# Altium PCB PowerAMP_revision.PcbDoc (part 1 of 4)
Units mm, origin at the board's own origin, x right, y up, seen from the top; angles counter-clockwise.
Board outline 211.5 x 142.58 mm, 2 copper layers (Top Layer, Bottom Layer), stack 1.635 mm thick; 322 components, 226 nets, 1061 pads, 745 vias.
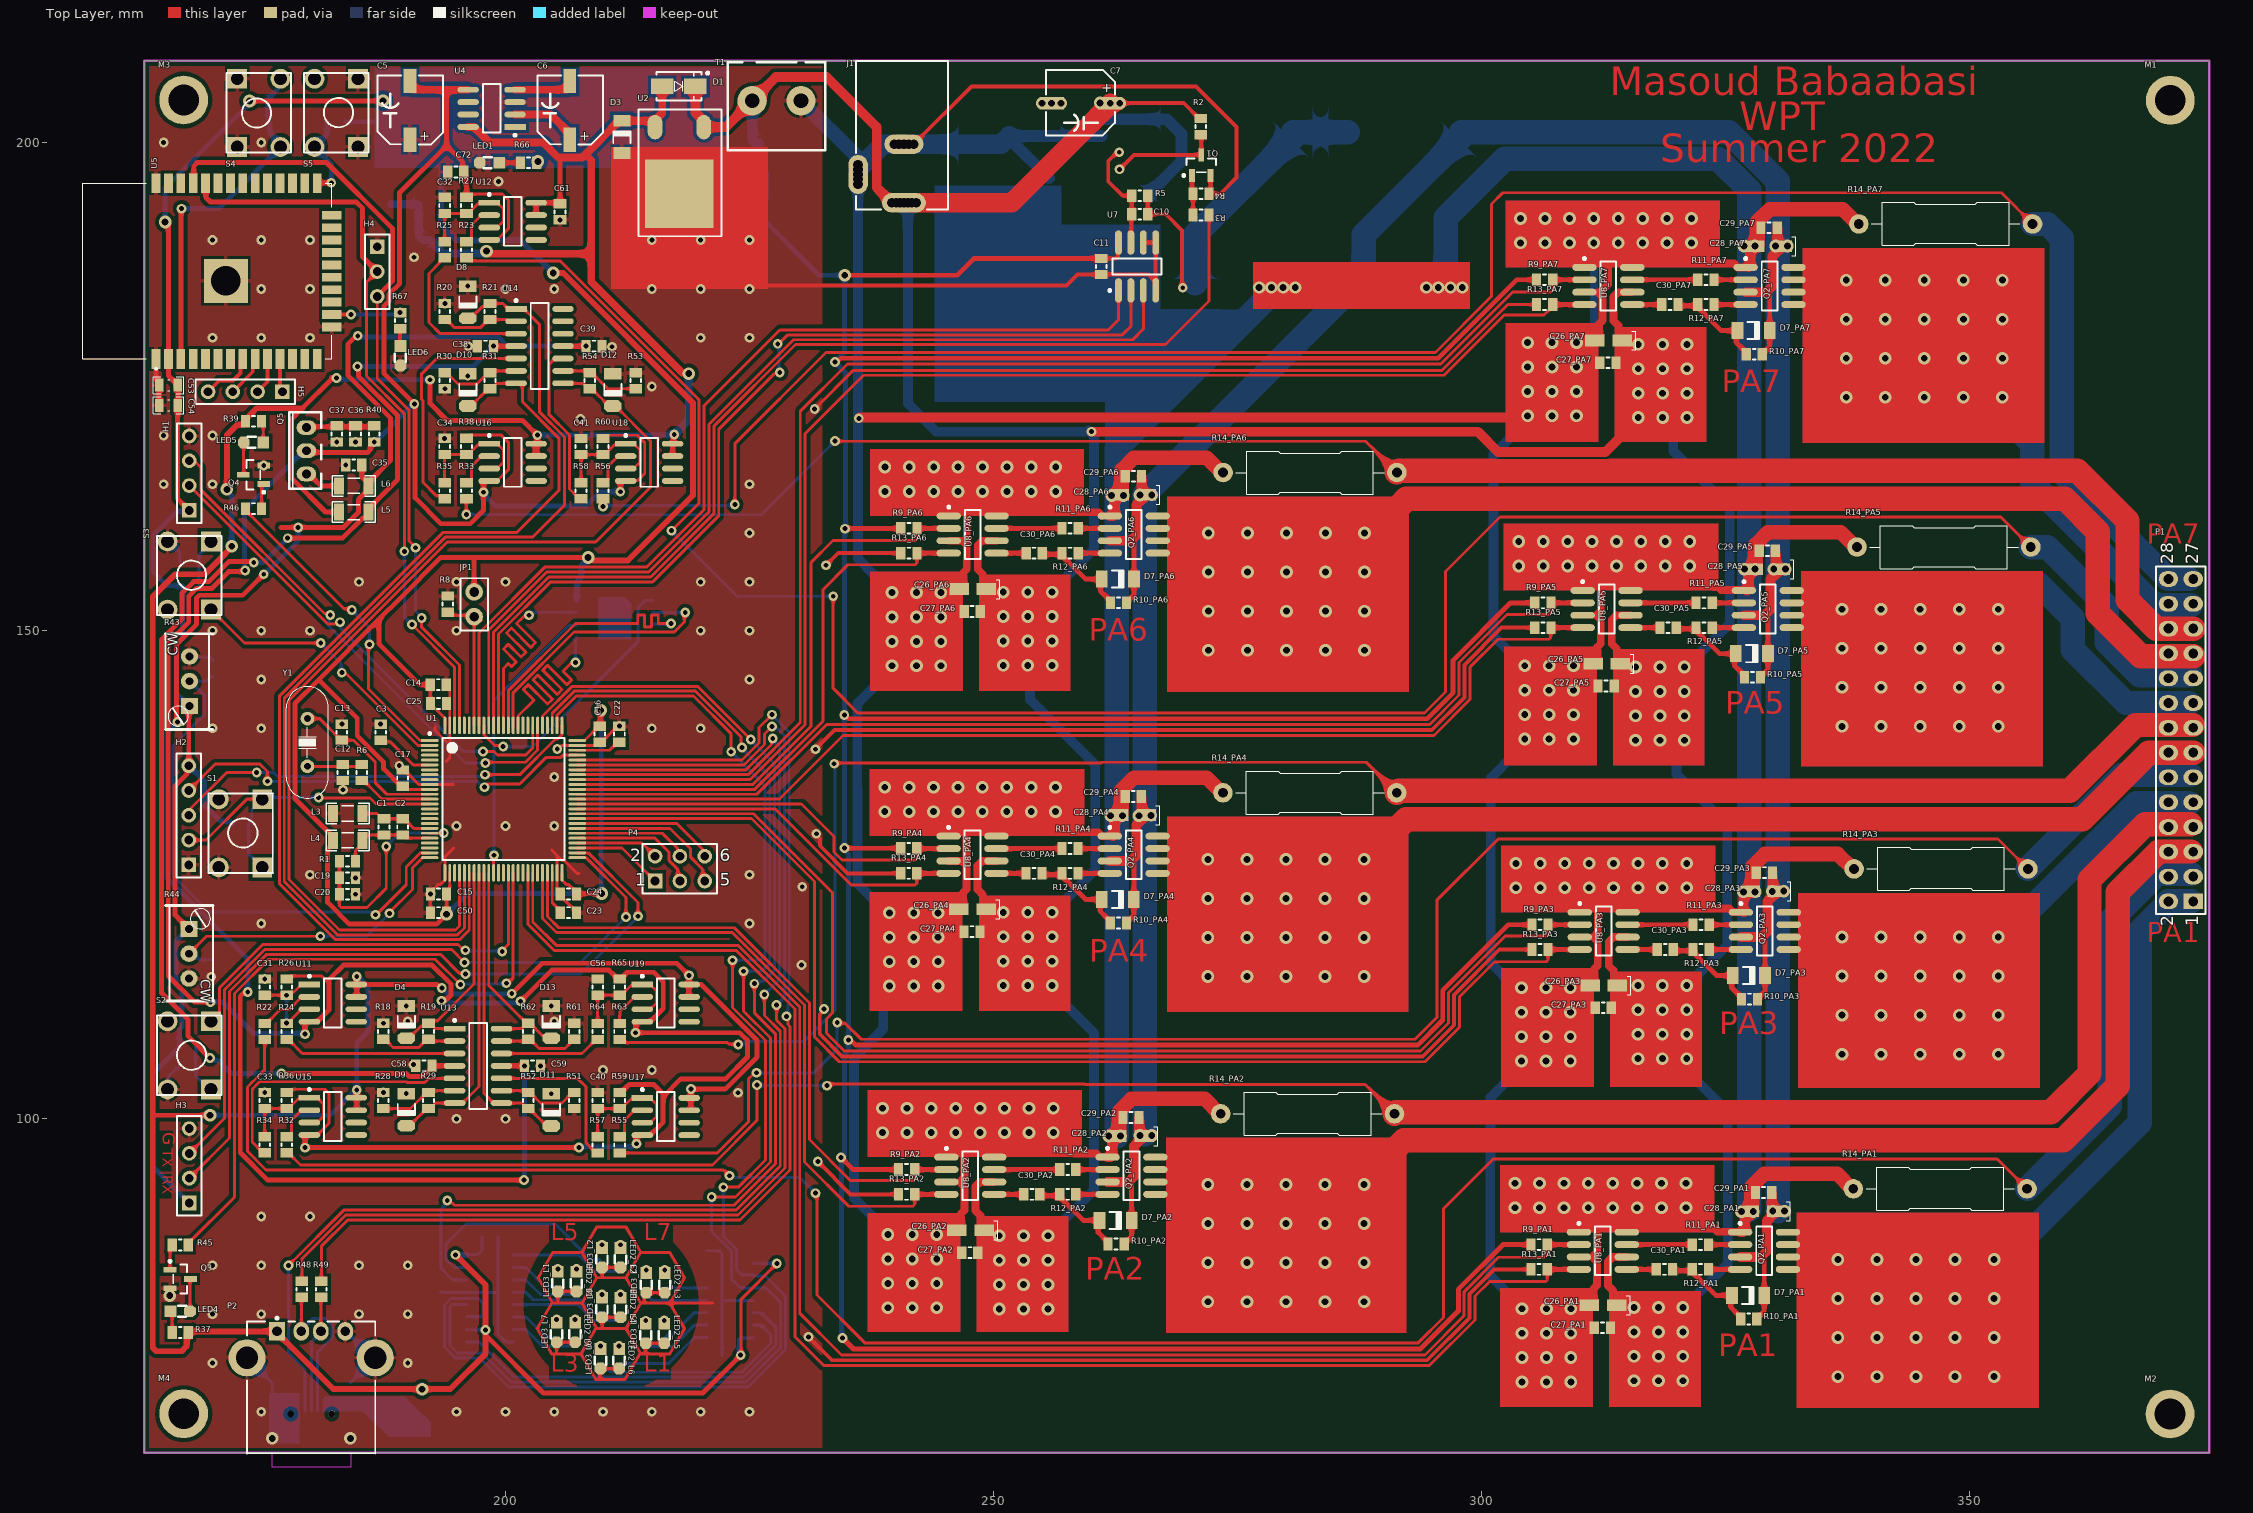
[diagram p0: Top Layer view]
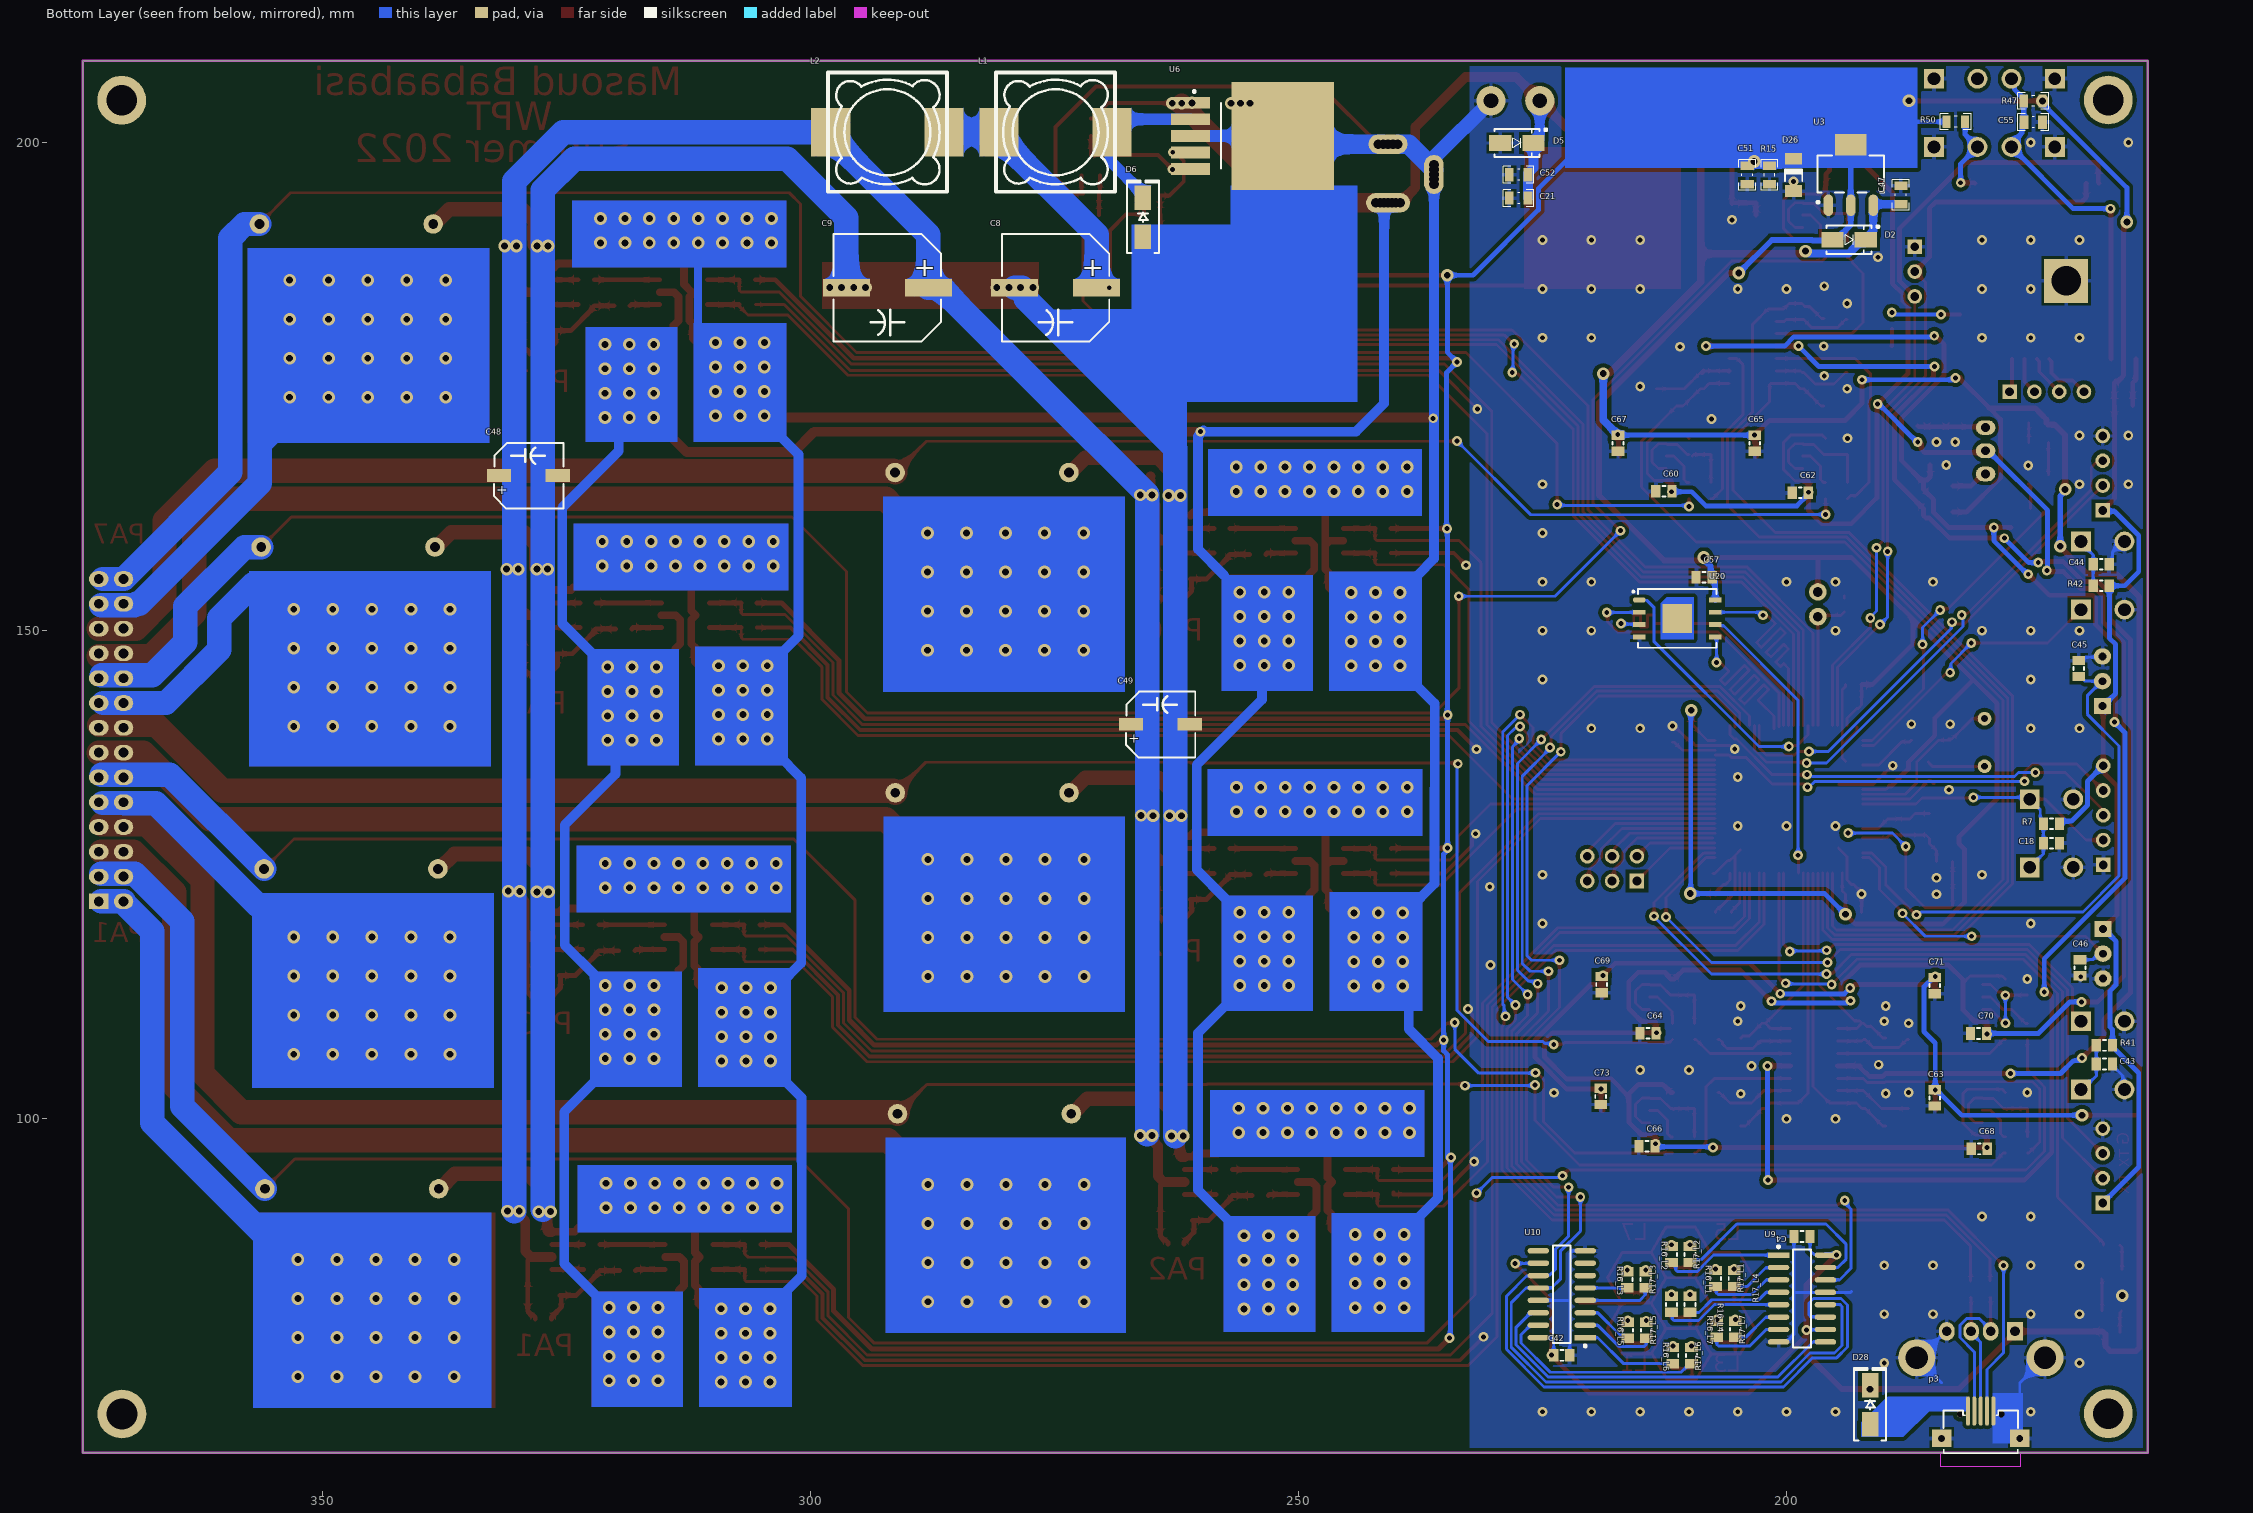
[diagram p1: Bottom Layer view, seen from below]
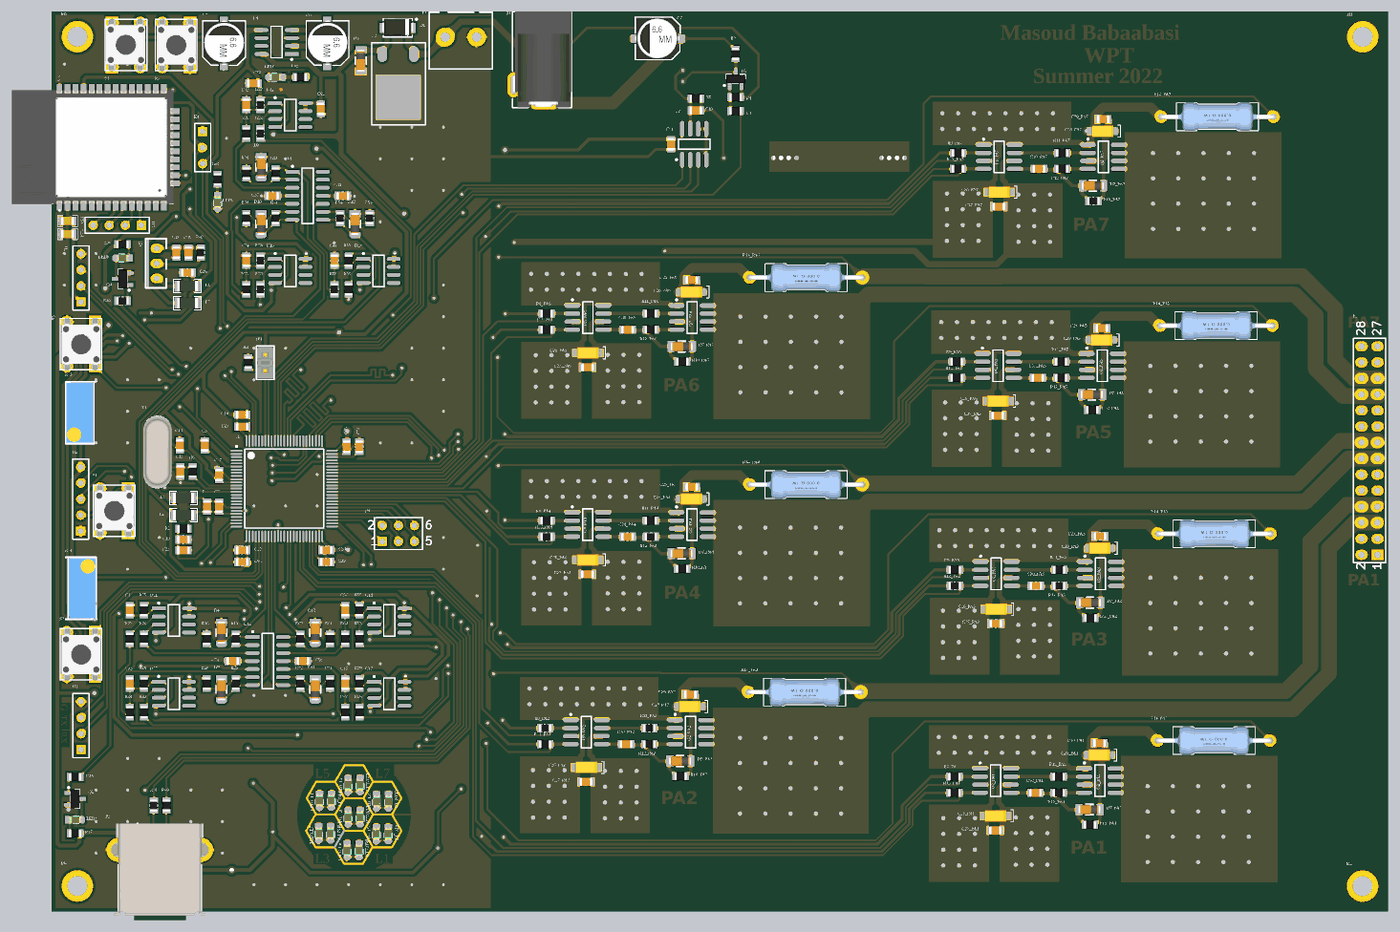
[diagram p5: 3D render of the assembled board from above, using the file's embedded part models]
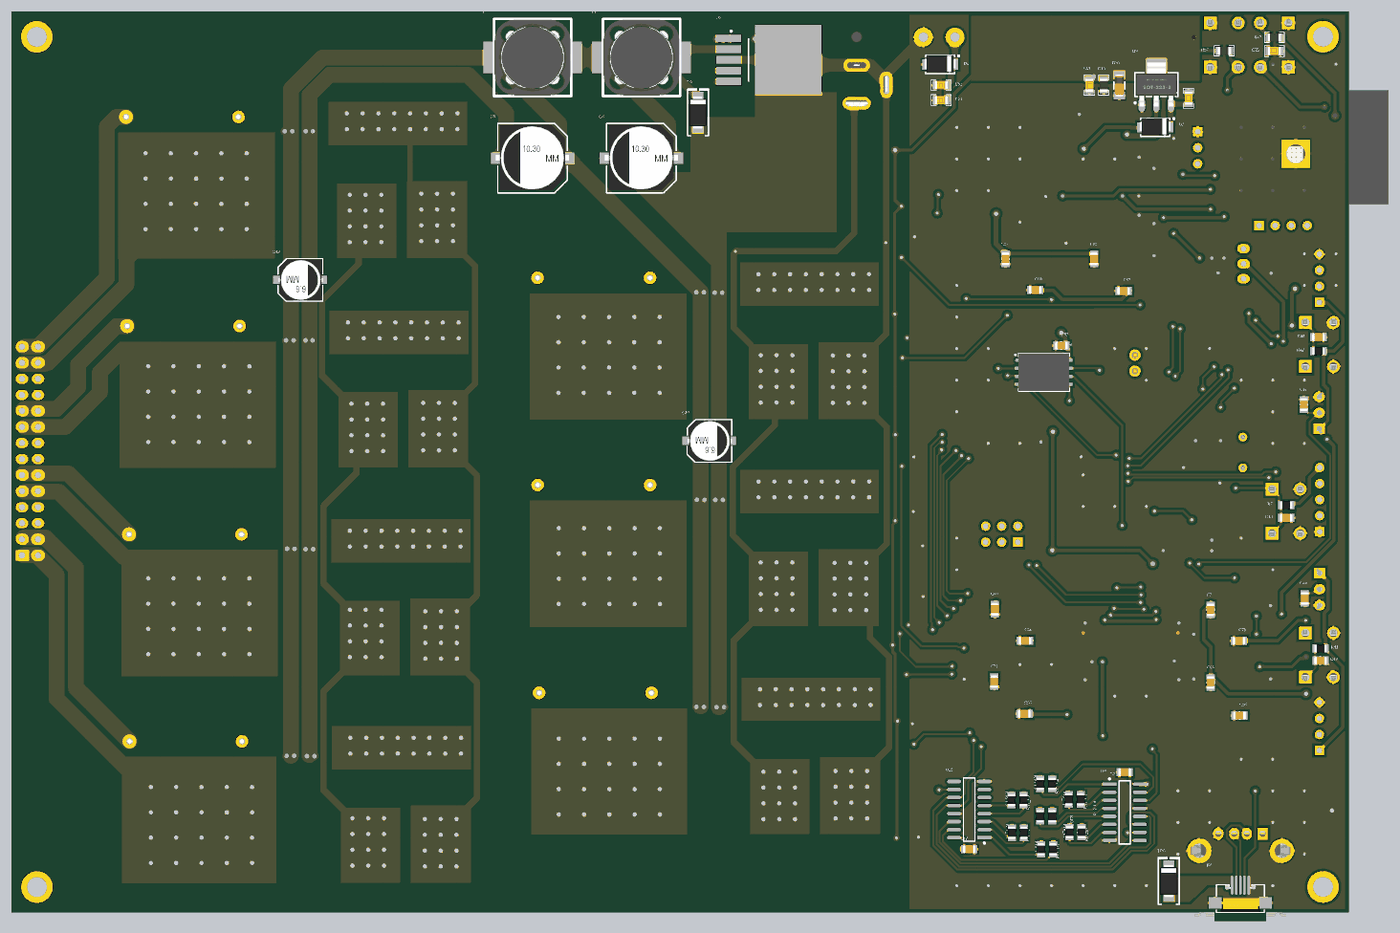
[diagram p6: 3D render of the assembled board from below, using the file's embedded part models]

## Layer stack, top to bottom
Top Solder: solder mask 0.0102, Solder Resist, Dk 3.5
Top Layer: signal copper 0.0175
Dielectric 1: dielectric 1.6, FR-4, Dk 4.8
Bottom Layer: signal copper 0.0175
Bottom Solder: solder mask 0.0102, Solder Resist, Dk 3.5

## Board outline
163,65.786 163,208.361 374.5,208.361 374.5,65.786

## Design rules (kind name [scope] priority, off if disabled: settings)
Clearance [All] p1: gap=0.2 ignorepadtopadclearanceinfootprint=TRUE except(0: SMDPad-Hole THPad-Hole Via-Hole Fill-Hole Poly-Hole Region-Hole Text-Hole; 0.35: SMDPad-Fill SMDPad-Poly SMDPad-Region; 0.4: Arc-Fill Arc-Poly Arc-Region Track-Fill Track-Poly Track-Region THPad-Fill THPad-Poly THPad-Region Via-Fill Via-Poly Via-Region Fill-Fill Fill-Poly Fill-Region Poly-Poly Poly-Region Region-Region)
PolygonConnect [All] p1: thpad.connectstyle=Relief thpad.reliefconductorwidth=0.4 thpad.reliefentries=4 thpad.polygonreliefangle="90 Angle" thpad.airgapwidth=0.25 smdpad.connectstyle=Relief smdpad.reliefconductorwidth=0.4 smdpad.reliefentries=4 smdpad.polygonreliefangle="90 Angle" smdpad.airgapwidth=0.25 via.connectstyle=Direct via.reliefconductorwidth=0.4 via.reliefentries=4 via.polygonreliefangle="45 Angle" via.airgapwidth=0.3
RoomDefinition PA6 [InComponentClass('PA6')] p1: confinementstyle=ConfineIn formatcopy=TRUE lockcomponents=FALSE outline 237.332,143.717 293.085,143.717 293.085,168.609 237.332,168.609
RoomDefinition L1 [InComponentClass('L1')] p2 off: confinementstyle=ConfineIn formatcopy=TRUE lockcomponents=FALSE outline 37.975,21.025 42.075,21.025 42.075,24.625 37.975,24.625
RoomDefinition L2 [InComponentClass('L2')] p3 off: confinementstyle=ConfineIn formatcopy=TRUE lockcomponents=FALSE outline 33.45,18.575 37.55,18.575 37.55,22.175 33.45,22.175
RoomDefinition L3 [InComponentClass('L3')] p4 off: confinementstyle=ConfineIn formatcopy=TRUE lockcomponents=FALSE outline 28.925,21.15 33.025,21.15 33.025,24.75 28.925,24.75
RoomDefinition L4 [InComponentClass('L4')] p5 off: confinementstyle=ConfineIn formatcopy=TRUE lockcomponents=FALSE outline 33.45,23.675 37.55,23.675 37.55,27.275 33.45,27.275
RoomDefinition L5 [InComponentClass('L5')] p6 off: confinementstyle=ConfineIn formatcopy=TRUE lockcomponents=FALSE outline 28.975,26.325 33.075,26.325 33.075,29.925 28.975,29.925
RoomDefinition L6 [InComponentClass('L6')] p7 off: confinementstyle=ConfineIn formatcopy=TRUE lockcomponents=FALSE outline 33.6,28.925 37.7,28.925 37.7,32.525 33.6,32.525
RoomDefinition L7 [InComponentClass('L7')] p8 off: confinementstyle=ConfineIn formatcopy=TRUE lockcomponents=FALSE outline 38.1,26.225 42.2,26.225 42.2,29.825 38.1,29.825
RoomDefinition PA2 [InComponentClass('PA2')] p9: confinementstyle=ConfineIn formatcopy=TRUE lockcomponents=FALSE outline 237.09,78.043 292.843,78.043 292.843,102.935 237.09,102.935
RoomDefinition U_power [InComponentClass('U_power')] p10 off: confinementstyle=ConfineIn formatcopy=TRUE lockcomponents=FALSE outline 17.636,39.5 103.6,39.5 103.6,65.089 17.636,65.089
RoomDefinition U_PA_group [InComponentClass('U_PA_group')] p11 off: confinementstyle=ConfineIn formatcopy=TRUE lockcomponents=FALSE outline 18.622,153.3 101.875,153.3 101.875,182.825 18.622,182.825
RoomDefinition U_micro [InComponentClass('U_micro')] p12 off: confinementstyle=ConfineIn formatcopy=TRUE lockcomponents=FALSE outline 17.145,127.711 101.45,127.711 101.45,149.047 17.145,149.047
RoomDefinition U_accesory [InComponentClass('U_accesory')] p13 off: confinementstyle=ConfineIn formatcopy=TRUE lockcomponents=FALSE outline 16.129,94.564 100.35,94.564 100.35,126.695 16.129,126.695
RoomDefinition Rect [InComponentClass('Rect')] p14 off: confinementstyle=ConfineIn formatcopy=TRUE lockcomponents=FALSE outline 16.893,68.825 102.75,68.825 102.75,92.925 16.893,92.925
RoomDefinition PA7 [InComponentClass('PA7')] p15: confinementstyle=ConfineIn formatcopy=TRUE lockcomponents=FALSE outline 302.443,169.176 358.196,169.176 358.196,194.068 302.443,194.068
RoomDefinition PA5 [InComponentClass('PA5')] p16: confinementstyle=ConfineIn formatcopy=TRUE lockcomponents=FALSE outline 302.262,136.085 358.015,136.085 358.015,160.977 302.262,160.977
RoomDefinition PA4 [InComponentClass('PA4')] p17: confinementstyle=ConfineIn formatcopy=TRUE lockcomponents=FALSE outline 237.318,110.92 293.071,110.92 293.071,135.812 237.318,135.812
RoomDefinition PA3 [InComponentClass('PA3')] p18: confinementstyle=ConfineIn formatcopy=TRUE lockcomponents=FALSE outline 301.961,103.121 357.714,103.121 357.714,128.013 301.961,128.013
RoomDefinition PA1 [InComponentClass('PA1')] p19: confinementstyle=ConfineIn formatcopy=TRUE lockcomponents=FALSE outline 301.88,70.358 357.633,70.358 357.633,95.25 301.88,95.25
RoutingVias [All] p1: holewidth=0.7 width=1.2 viastyle="Through Hole" minholewidth=0.5 minwidth=1 maxholewidth=1 maxwidth=1.5
SolderMaskExpansion [All] p1: expansion=0.102 istentingtop=FALSE
Width [InNetClass('Power')] p1: maxlimit=2.5 minlimit=0.254 preferedwidth=0.5 minimp=50.000000 maximp=50.000000 favimp=50.000000
30 further rules are at their usual default settings.

## Classes and differential pairs
net class QUAD_BK1_IO[0..3]: QUAD_BK1_IO0 QUAD_BK1_IO1 QUAD_BK1_IO2 QUAD_BK1_IO3
net class FLASH_SPI: QUAD_BK1_IO0 QUAD_BK1_IO1 QUAD_BK1_IO2 QUAD_BK1_IO3 QUAD_CLK
net class Pot[1..2]: Pot1 Pot2
net class ESP_IO[0..33]: ESP_IO0 ESP_IO1 ESP_IO2 ESP_IO3 ESP_IO4 ESP_IO5 ESP_IO6 ESP_IO7 ESP_IO8 ESP_IO9 ESP_IO10 ESP_IO11 ESP_IO12 ESP_IO13 ESP_IO14 ESP_IO15 ESP_IO16 ESP_IO17 ESP_IO18 ESP_IO19 ESP_IO20 ESP_IO21 ESP_IO22 ESP_IO23 ESP_IO24 ESP_IO25 ESP_IO26 ESP_IO27 ESP_IO28 ESP_IO29 ESP_IO30 ESP_IO31 ESP_IO32 ESP_IO33
net class clk_n[1..7]: clk_n1 clk_n2 clk_n3 clk_n4 clk_n5 clk_n6 clk_n7
channel class led_PA: L1 L2 L3 L4 L5 L6 L7
component class L7: LED2_L7 LED3_L7 R16_L7 R17_L7
component class L6: LED2_L6 LED3_L6 R16_L6 R17_L6
component class L5: LED2_L5 LED3_L5 R16_L5 R17_L5
component class L4: LED2_L4 LED3_L4 R16_L4 R17_L4
component class L3: LED2_L3 LED3_L3 R16_L3 R17_L3
component class L2: LED2_L2 LED3_L2 R16_L2 R17_L2
component class L1: LED2_L1 LED3_L1 R16_L1 R17_L1
component class U_accesory: C43 C44 C45 C46 C53 C54 C55 C57 D28 H1 H3 H4 H5 LED4 LED5 LED6 P2 p3 Q3 Q4 R37 R39 R41 R42 R43 R44 R45 R46 R47 R48 R49 R50 R67 S2 S3 S4 S5 U5 U20
net class PB[1..2]: PB1 PB2
net class LED[1..2]: LED1 LED2
net class ADC[1..7]: ADC1 ADC2 ADC3 ADC4 ADC5 ADC6 ADC7
component class U_power: C5 C6 C7 C8 C9 C10 C11 C21 C47 C51 C52 D1 D2 D3 D5 D6 D26 J1 L1 L2 LED1 M1 M2 M3 M4 Q1 R2 R3 R4 R5 R15 R66 T1 U2 U3 U4 U6 U7
component class U_micro: C1 C2 C3 C12 C13 C14 C15 C16 C17 C18 C19 C20 C22 C23 C24 C25 C50 H2 JP1 L3 L4 P4 R1 R6 R7 R8 S1 U1 Y1
net class clk_p[1..7]: clk_p1 clk_p2 clk_p3 clk_p4 clk_p5 clk_p6 clk_p7
component class Rect: C31 C32 C33 C34 C35 C36 C37 C38 C39 C40 C41 C56 C58 C59 C60 C61 C62 C63 C64 C65 C66 C67 C68 C69 C70 C71 C72 C73 D4 D8 D9 D10 D11 D12 D13 L5 L6 Q5 R18 R19 R20 R21 R22 R23 R24 R25 R26 R27 R28 R29 R30 R31 R32 R33 R34 R35 R36 R38 R40 R51 R52 R53 R54 R55 R56 R57 R58 R59 R60 R61 R62 R63 R64 R65 U11 U12 U13 U14 U15 U16 U17 U18 U19
net class R_led[1..7]: R_led1 R_led2 R_led3 R_led4 R_led5 R_led6 R_led7
net class G_led[1..7]: G_led1 G_led2 G_led3 G_led4 G_led5 G_led6 G_led7
net class coilL[1..7]: coilL1 coilL2 coilL3 coilL4 coilL5 coilL6 coilL7
net class coilH[1..7]: coilH1 coilH2 coilH3 coilH4 coilH5 coilH6 coilH7
component class U_PA_group: C4 C42 C48 C49 P1 U9 U10
channel class PA_classD: PA1 PA2 PA3 PA4 PA5 PA6 PA7
component class PA7: C26_PA7 C27_PA7 C28_PA7 C29_PA7 C30_PA7 D7_PA7 Q2_PA7 R9_PA7 R10_PA7 R11_PA7 R12_PA7 R13_PA7 R14_PA7 U8_PA7
component class PA6: C26_PA6 C27_PA6 C28_PA6 C29_PA6 C30_PA6 D7_PA6 Q2_PA6 R9_PA6 R10_PA6 R11_PA6 R12_PA6 R13_PA6 R14_PA6 U8_PA6
component class PA5: C26_PA5 C27_PA5 C28_PA5 C29_PA5 C30_PA5 D7_PA5 Q2_PA5 R9_PA5 R10_PA5 R11_PA5 R12_PA5 R13_PA5 R14_PA5 U8_PA5
component class PA4: C26_PA4 C27_PA4 C28_PA4 C29_PA4 C30_PA4 D7_PA4 Q2_PA4 R9_PA4 R10_PA4 R11_PA4 R12_PA4 R13_PA4 R14_PA4 U8_PA4
component class PA3: C26_PA3 C27_PA3 C28_PA3 C29_PA3 C30_PA3 D7_PA3 Q2_PA3 R9_PA3 R10_PA3 R11_PA3 R12_PA3 R13_PA3 R14_PA3 U8_PA3
component class PA2: C26_PA2 C27_PA2 C28_PA2 C29_PA2 C30_PA2 D7_PA2 Q2_PA2 R9_PA2 R10_PA2 R11_PA2 R12_PA2 R13_PA2 R14_PA2 U8_PA2
component class PA1: C26_PA1 C27_PA1 C28_PA1 C29_PA1 C30_PA1 D7_PA1 Q2_PA1 R9_PA1 R10_PA1 R11_PA1 R12_PA1 R13_PA1 R14_PA1 U8_PA1

## Components (designator, comment, footprint, x,y, rotation, side; value= is the part's Value field where it differs from the comment)
C1 "4.7uF" SMD_CAP_0805 187.575,130.725 r270 top
C2 "100nF" SMD_CAP_0805 189.475,130.725 r270 top
C3 "100nF" SMD_CAP_0805 187.225,140.425 r270 top
C4 "100nF" SMD_CAP_0805 197.6,87.95 r0 bottom
C5 "100uF" "Cap SMD electrolite-6.3mm" 190.2,203.399 r270 top
C6 "100uF" "Cap SMD electrolite-6.3mm" 206.575,203.399 r270 top
C7 "" "Cap SMD electrolite-6.3mm" 258.85,204 r0 top value=100uF
C8 "" "Cap SMD electrolite-10.3mm" 274.875,185.125 r180 bottom value=1000uF
C9 "" "Cap SMD electrolite-10.3mm" 292.1,185.125 r180 bottom value=1000uF
C10 "10nF" SMD_CAP_0805 265.8,192.65 r180 top
C11 "100nF" SMD_CAP_0805 261.025,186.475 r90 top
C12 "22pF" SMD_CAP_0805 183.35,134.65 r90 top
C13 "22pF" SMD_CAP_0805 183.25,140.425 r270 top
C14 "100nF" SMD_CAP_0805 193.95,144.475 r180 top
C15 "100nF" SMD_CAP_0805 192.325,123.025 r0 top
C16 "100nF" SMD_CAP_0805 209.675,138.575 r90 top
C17 "100nF" SMD_CAP_0805 189.475,135.725 r270 top
C18 "100nF" SMD_CAP_0805 172.05,128.225 r0 bottom
C19 "4.7uF" SMD_CAP_0805 183,124.688 r0 top
C20 "100nF" SMD_CAP_0805 184.65,123 r180 top
C21 "cap 10uF" CAP0805 227.45,194.3 r0 bottom value=10uF
C22 "tantal size a" SMD_CAP_0805 211.675,138.575 r90 top value=2.2u
C23 "tantal size a" SMD_CAP_0805 205.625,121.125 r0 top value=2.2u
C24 "100nF" SMD_CAP_0805 205.625,123.025 r0 top
C25 "4.7uF" SMD_CAP_0805 192.325,142.55 r0 top
C26_PA1 "tantal size a" "CAPP 1206 (3216X18L) Size A" 313.818,80.899 r180 top value=10u (schematic designator C26)
C26_PA2 "tantal size a" "CAPP 1206 (3216X18L) Size A" 249.028,88.584 r180 top value=10u (schematic designator C26)
C26_PA3 "tantal size a" "CAPP 1206 (3216X18L) Size A" 313.899,113.662 r180 top value=10u (schematic designator C26)
C26_PA4 "tantal size a" "CAPP 1206 (3216X18L) Size A" 249.256,121.461 r180 top value=10u (schematic designator C26)
C26_PA5 "tantal size a" "CAPP 1206 (3216X18L) Size A" 314.2,146.626 r180 top value=10u (schematic designator C26)
C26_PA6 "tantal size a" "CAPP 1206 (3216X18L) Size A" 249.27,154.258 r180 top value=10u (schematic designator C26)
C26_PA7 "tantal size a" "CAPP 1206 (3216X18L) Size A" 314.381,179.717 r180 top value=10u (schematic designator C26)
C27_PA1 "100nF" SMD_CAP_0805 313.183,78.613 r180 top (schematic designator C27)
C27_PA2 "100nF" SMD_CAP_0805 248.393,86.298 r180 top (schematic designator C27)
C27_PA3 "100nF" SMD_CAP_0805 313.264,111.376 r180 top (schematic designator C27)
C27_PA4 "100nF" SMD_CAP_0805 248.621,119.175 r180 top (schematic designator C27)
C27_PA5 "100nF" SMD_CAP_0805 313.565,144.34 r180 top (schematic designator C27)
C27_PA6 "100nF" SMD_CAP_0805 248.635,151.972 r180 top (schematic designator C27)
C27_PA7 "100nF" SMD_CAP_0805 313.746,177.431 r180 top (schematic designator C27)
C28_PA1 "tantal size a" "CAPP 1206 (3216X18L) Size A" 330.207,90.551 r180 top value=100u (schematic designator C28)
C28_PA2 "tantal size a" "CAPP 1206 (3216X18L) Size A" 265.417,98.236 r180 top value=100u (schematic designator C28)
C28_PA3 "tantal size a" "CAPP 1206 (3216X18L) Size A" 330.288,123.314 r180 top value=100u (schematic designator C28)
C28_PA4 "tantal size a" "CAPP 1206 (3216X18L) Size A" 265.645,131.113 r180 top value=100u (schematic designator C28)
C28_PA5 "tantal size a" "CAPP 1206 (3216X18L) Size A" 330.589,156.278 r180 top value=100u (schematic designator C28)
C28_PA6 "tantal size a" "CAPP 1206 (3216X18L) Size A" 265.659,163.91 r180 top value=100u (schematic designator C28)
C28_PA7 "tantal size a" "CAPP 1206 (3216X18L) Size A" 330.77,189.369 r180 top value=100u (schematic designator C28)
C29_PA1 "100nF" SMD_CAP_0805 329.692,92.456 r180 top (schematic designator C29)
C29_PA2 "100nF" SMD_CAP_0805 264.902,100.141 r180 top (schematic designator C29)
C29_PA3 "100nF" SMD_CAP_0805 329.773,125.219 r180 top (schematic designator C29)
C29_PA4 "100nF" SMD_CAP_0805 265.13,133.018 r180 top (schematic designator C29)
C29_PA5 "100nF" SMD_CAP_0805 330.074,158.183 r180 top (schematic designator C29)
C29_PA6 "100nF" SMD_CAP_0805 265.144,165.815 r180 top (schematic designator C29)
C29_PA7 "100nF" SMD_CAP_0805 330.255,191.274 r180 top (schematic designator C29)
C30_PA1 "10nF" SMD_CAP_0805 317.883,84.582 r0 top (schematic designator C30)
C30_PA2 "10nF" SMD_CAP_0805 253.093,92.267 r0 top (schematic designator C30)
C30_PA3 "10nF" SMD_CAP_0805 317.964,117.345 r0 top (schematic designator C30)
C30_PA4 "10nF" SMD_CAP_0805 253.321,125.144 r0 top (schematic designator C30)